# Altium PCB 遥控器PCB.PcbDoc
Units mil, origin at the board's own origin, x right, y up, seen from the top; angles counter-clockwise.
Board outline 3160 x 2570 mil, 2 copper layers (Top Layer, Bottom Layer); 32 components, 30 nets, 128 pads, 17 vias.
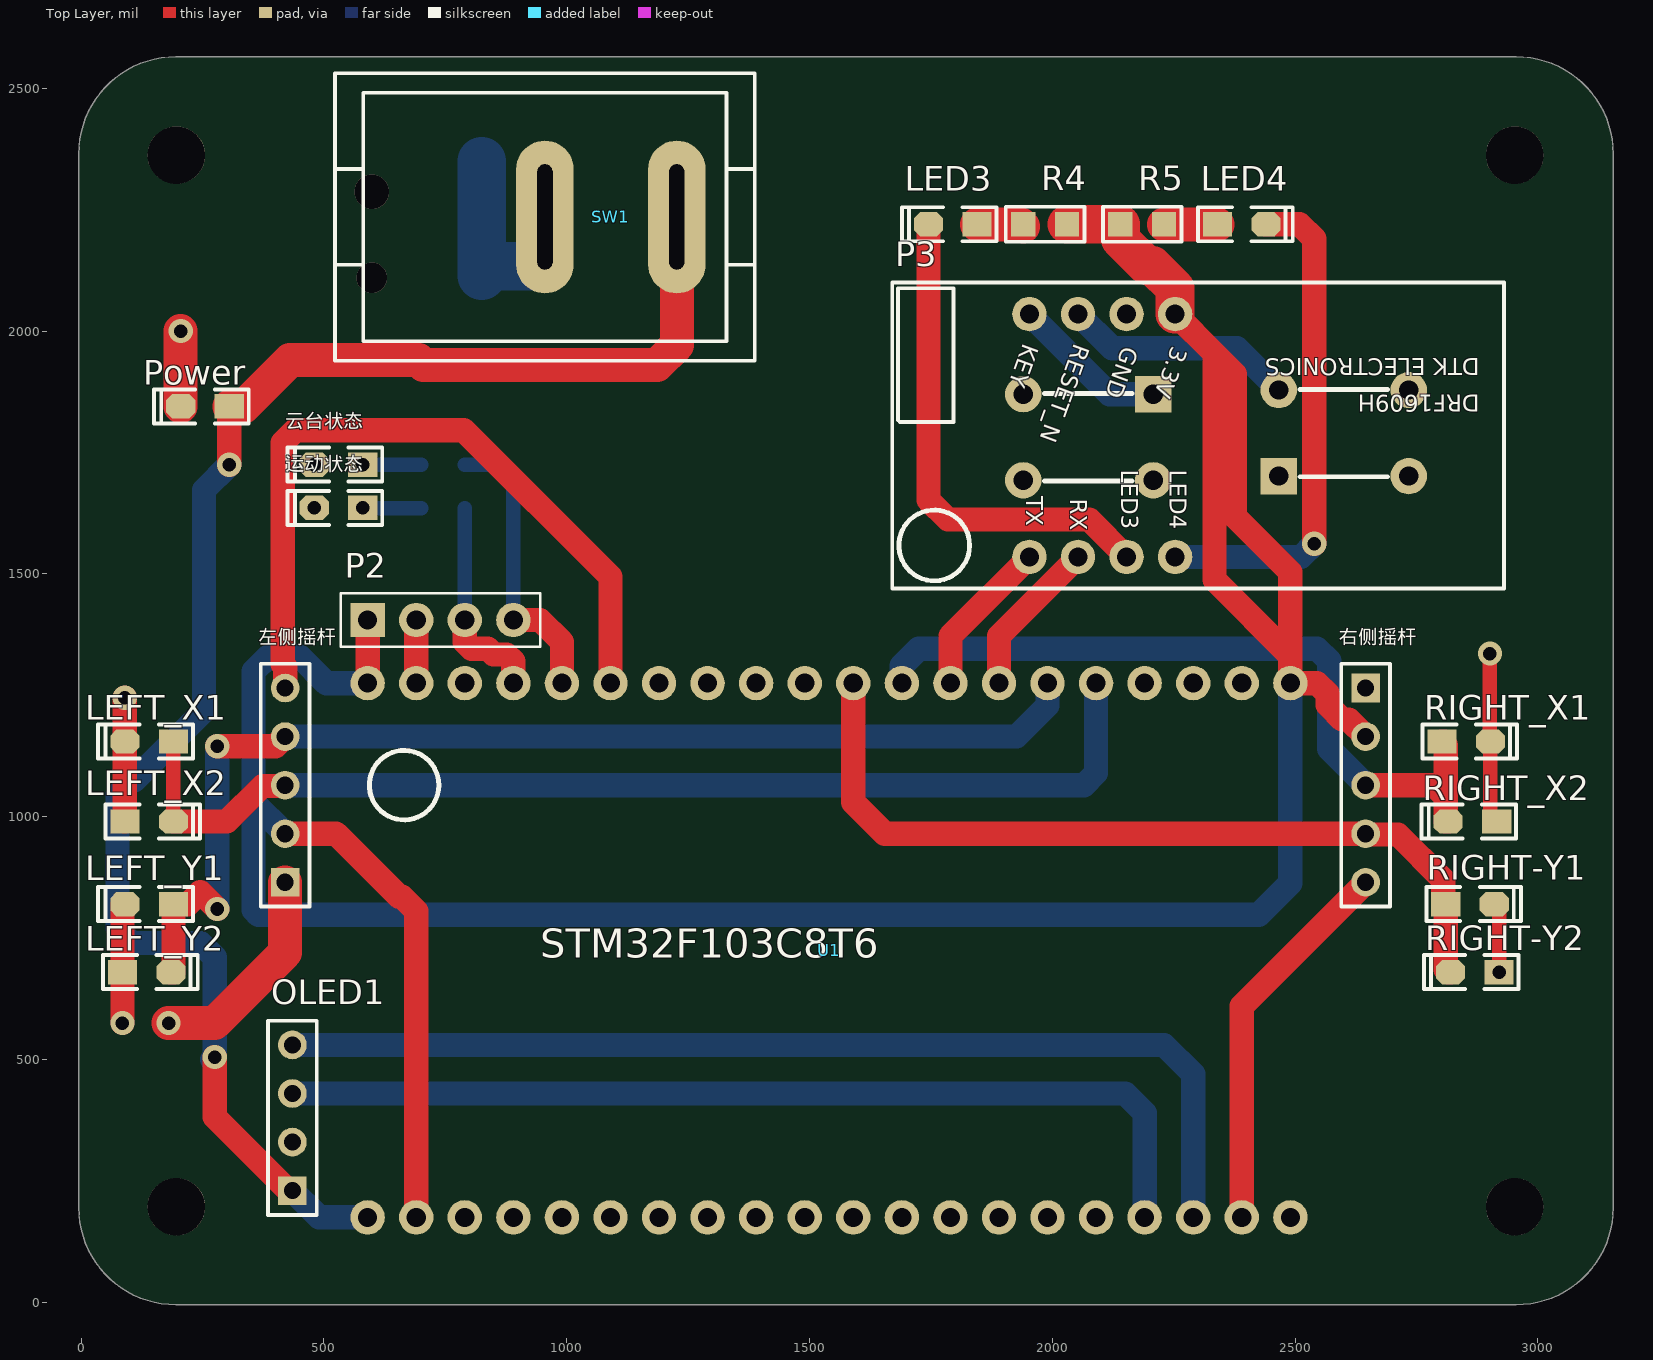
[diagram p0: Top Layer view]
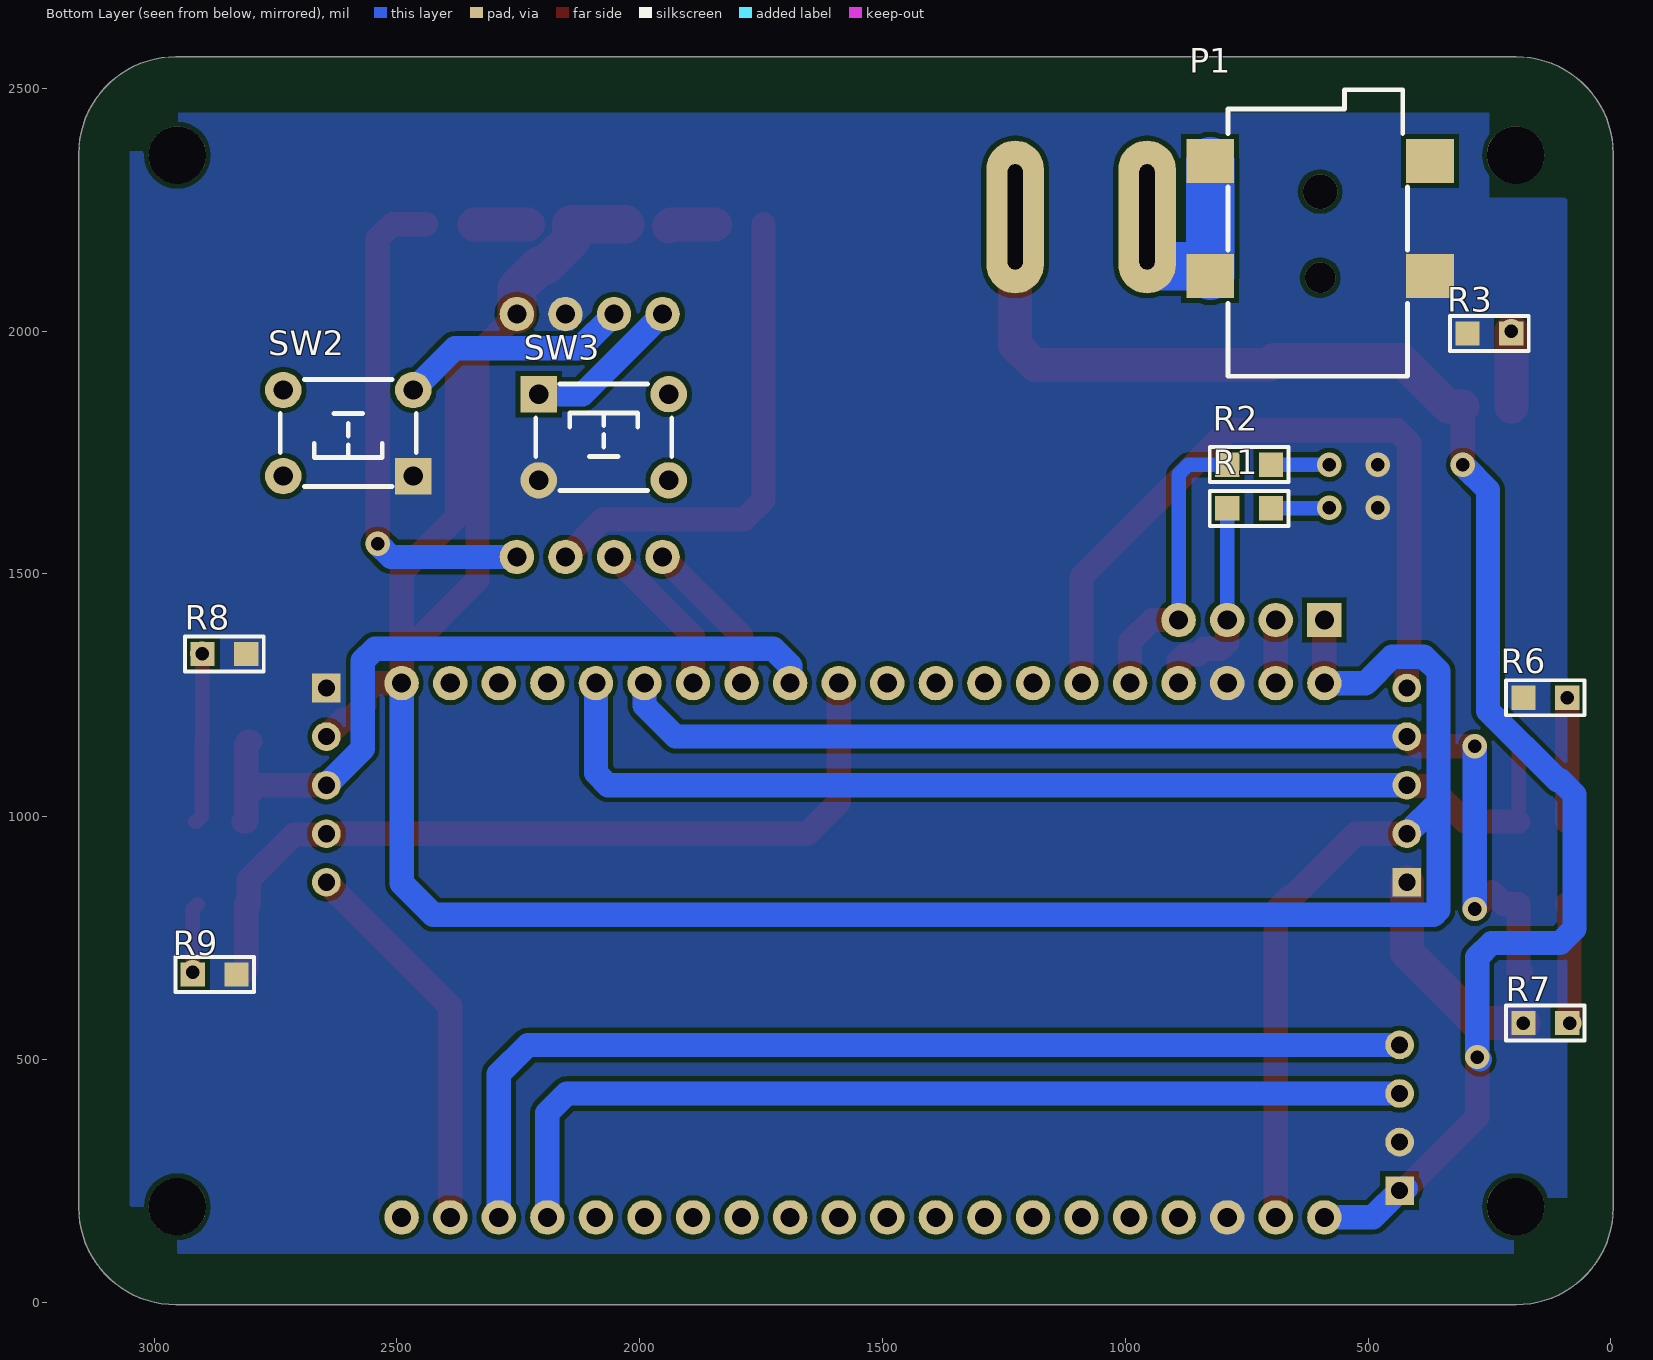
[diagram p1: Bottom Layer view, seen from below]
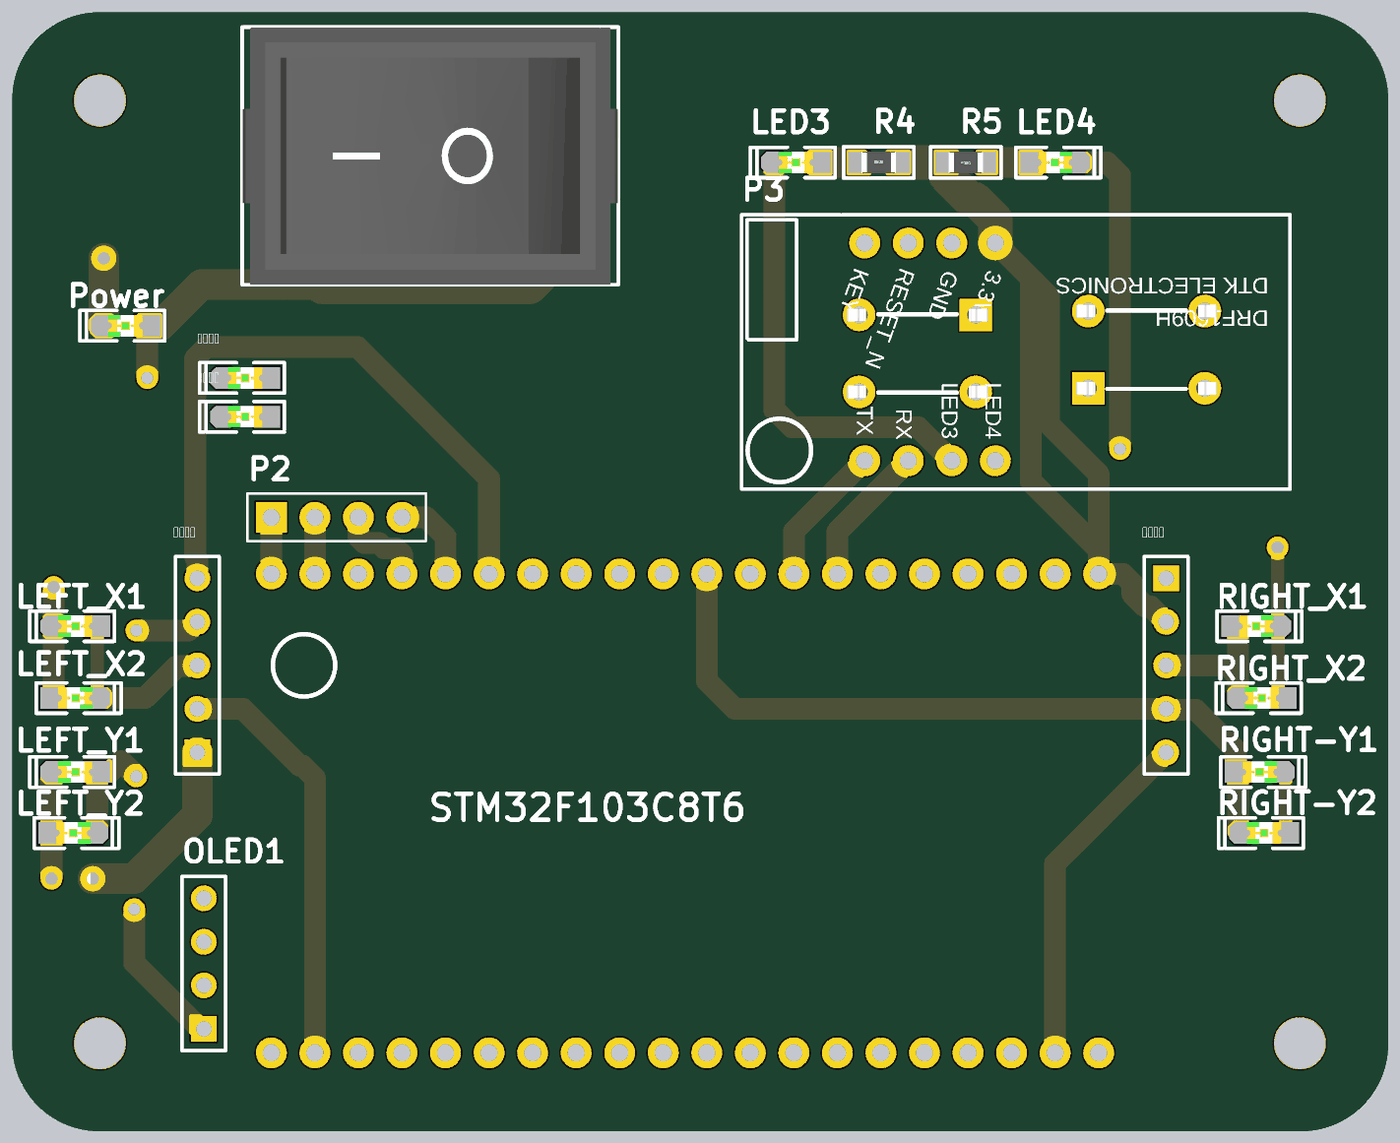
[diagram p2: 3D render of the assembled board from above, using the file's embedded part models]
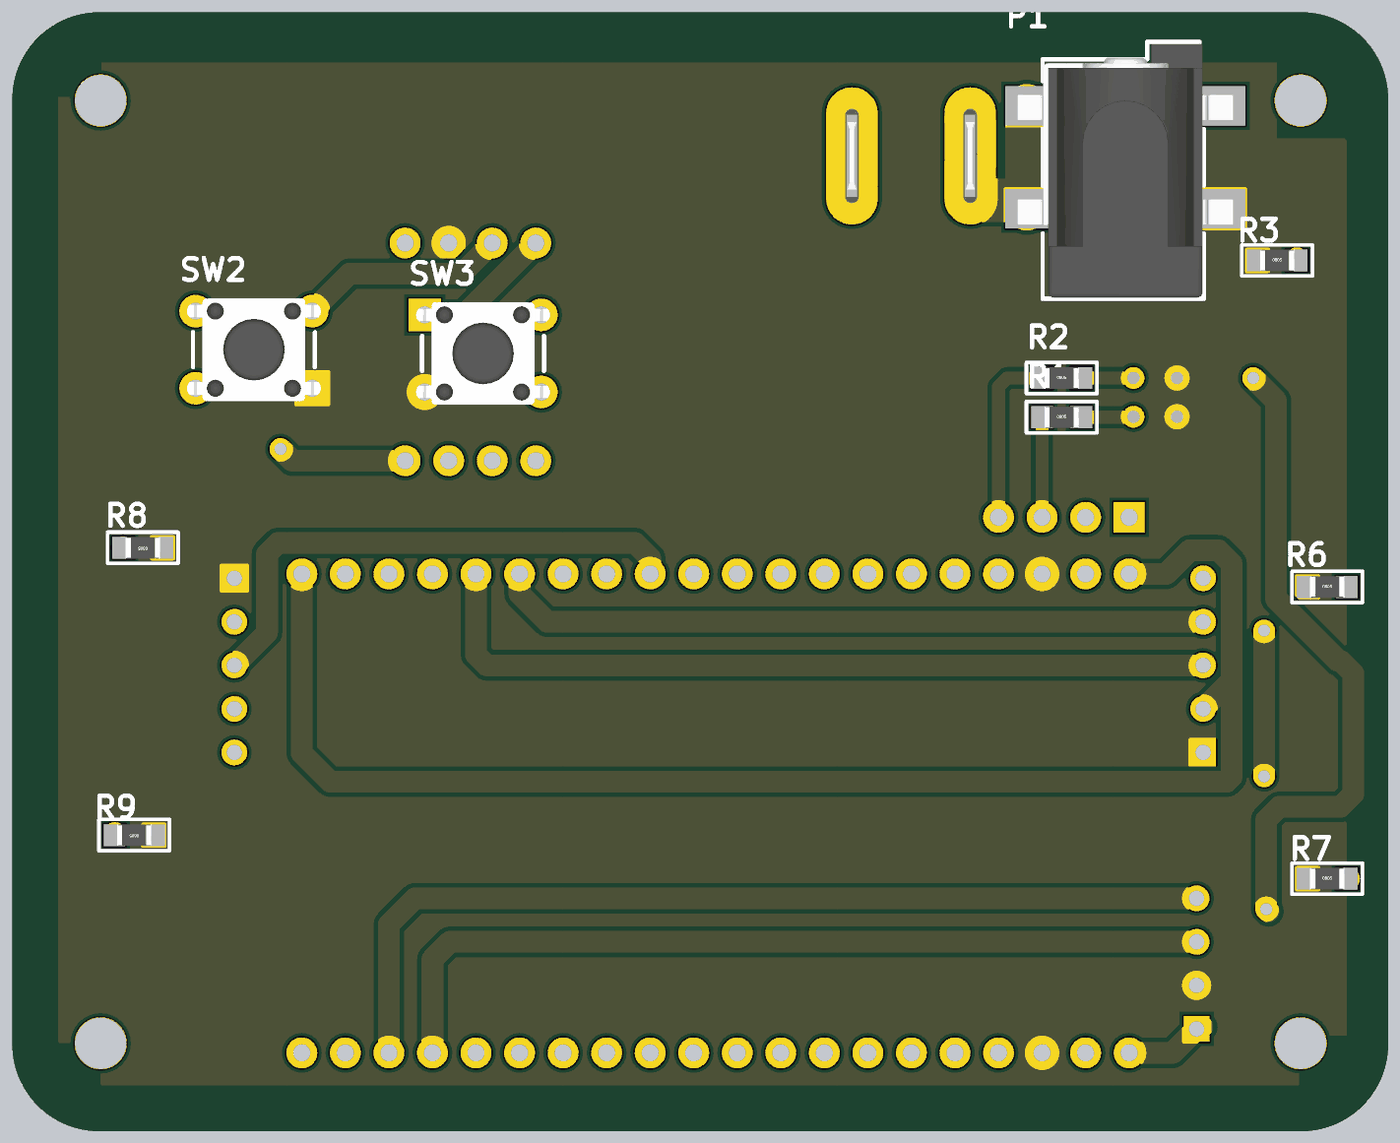
[diagram p3: 3D render of the assembled board from below, using the file's embedded part models]

## Layer stack, top to bottom
Top Solder: solder mask 0.4, Solder Resist, Dk 3.5
Top Layer: signal copper 1.4
Dielectric 1: dielectric 12.6, FR-4, Dk 4.8
Bottom Layer: signal copper 1.4
Bottom Solder: solder mask 0.4, Solder Resist, Dk 3.5

## Board outline
-5,195 ccw(c195,195) 195,-5 2955,-5 ccw(c2955,195) 3155,195 3155,2365 ccw(c2955,2365) 2955,2565 195,2565 ccw(c195,2365) -5,2365

## Design rules (kind name [scope] priority, off if disabled: settings)
Clearance [All] p1: gap=10 ignorepadtopadclearanceinfootprint=FALSE except(0: Arc-Hole Track-Hole SMDPad-Hole THPad-Hole Via-Hole Fill-Hole Poly-Hole Region-Hole Text-Hole)
HoleSize [All] p1: absolutevalues=TRUE maxlimit=1000 minlimit=1 maxpercent=80.000 minpercent=20.000
PolygonConnect [All] p1: connectstyle=Direct reliefconductorwidth=10 reliefentries=4 polygonreliefangle="90 Angle" airgapwidth=10
RoutingVias [All] p1: holewidth=28 width=50 viastyle="Through Hole" minholewidth=28 minwidth=50 maxholewidth=28 maxwidth=50
SilkToSilkClearance [All] p1: silktosilkclearance=0
SilkToSolderMaskClearance [IsPad] p1: minsilkscreentomaskgap=0 clearancetoexposedcopper=TRUE
SolderMaskExpansion [All] p1: expansion=4 istentingtop=FALSE
Width [All] p1: maxlimit=100 minlimit=10 preferedwidth=50 minimp=50.000000 maximp=50.000000 favimp=50.000000
27 further rules are at their usual default settings.

## Components (designator, comment, footprint, x,y, rotation, side; value= is the part's Value field where it differs from the comment)
LED3 "RX_Zig" "LED 0805B" 1795,2220 r180 top
LED4 "TX_Zig" "LED 0805B" 2390,2220 r0 top
LEFT_X1 "TX_Zig" "LED 0805B" 140,1155 r180 top
LEFT_X2 "TX_Zig" "LED 0805B" 140,990 r0 top
LEFT_Y1 "TX_Zig" "LED 0805B" 140,820 r180 top
LEFT_Y2 "TX_Zig" "LED 0805B" 135,680 r0 top
OLED1 "Header 4" HDR1X4 435,230 r90 top
P1 "2pin" DC-050-5.5*2.1_贴片 598.62,2287.01 r90 bottom
P2 "引出MCU排针" 接插件_排母_4*1 590,1405 r0 top
P3 "ZIGBEE" DRF1609H-DIP 2300,1785 r180 top
Power "电源指示" "LED 0805B" 255,1845 r180 top
R1 "1K" "R 0805_M" 745,1635 r180 bottom
R2 "1K" "R 0805_M" 745,1725 r180 bottom
R3 "1k" "R 0805_M" 250,1995 r180 bottom
R4 "510R" "R 0805_M" 1985,2220 r0 top
R5 "510R" "R 0805_M" 2185,2220 r180 top
R6 "1k" "R 0805_M" 135,1245 r180 bottom
R7 "1k" "R 0805_M" 135,575 r180 bottom
R8 "1k" "R 0805_M" 2855,1335 r0 bottom
R9 "1k" "R 0805_M" 2875,675 r0 bottom
RIGHT-Y1 "TX_Zig" "LED 0805B" 2860,820 r0 top
RIGHT-Y2 "TX_Zig" "LED 0805B" 2870,680 r180 top
RIGHT_X1 "TX_Zig" "LED 0805B" 2852,1155 r0 top
RIGHT_X2 "TX_Zig" "LED 0805B" 2865,990 r180 top
SW1 "开关KCD1-101" 开关KCD1-101 955,2235 r0 top
SW2 "ZigReset" "SW DIP-6*6*5" 2600,1790 r0 bottom
SW3 "ZigReset" "SW DIP-6*6*5" 2073.86,1781.42 r180 bottom
U1 "STM32F103C8T6" STM32F103C8T6 1540,725 r0 top
云台状态 "PWU" "LED 0805R" 530,1725 r180 top
右侧摇杆 "Header 5" HDR1X5 2645,1265 r270 top
左侧摇杆 "Header 5" HDR1X5 420,865 r90 top
运动状态 "PWU" "LED 0805R" 530,1636 r180 top

## Footprints (in the part's own frame and the unit in brackets; to place one, negate y for a bottom-side part, rotate by r counter-clockwise, add the part's x,y. Pads: shape width x height; smd on the part's side, far side on the other; paste and mask are expansions set on the pad)
DC-050-5.5*2.1_贴片 [mm] "5.5*2.1"
  rect 2.3x2.5 smd: 1(-4.4,5.75) 1(1.6,5.75) 2(-4.4,-5.75) 3(1.6,-5.75)
  silkscreen extent -9.65,-4.57 5.33,4.83, body extent -9.59,-6.3 5.21,6.3, height 11
DRF1609H-DIP [mm]
  round 1.8 hole 1: 1(1.2,-6.35) 2(3.74,-6.35) 3(6.28,-6.35) 4(8.82,-6.35) 5(8.82,6.35) 6(6.28,6.35) 7(3.74,6.35) 8(1.2,6.35)
  silkscreen extent -16,-8 16,8
HDR1X4 [mm] "Connector; Header; 4 Position"
  rect 1.5x1.5 hole 0.9: 1(0,0)
  round 1.5 hole 0.9: 2(2.54,0) 3(5.08,0) 4(7.62,0)
  silkscreen extent -1.27,-1.27 8.89,1.27
HDR1X5 [mm] "Connector; Header; 5 Position"
  rect 1.5x1.5 hole 0.9: 1(0,0)
  round 1.5 hole 0.9: 2(2.54,0) 3(5.08,0) 4(7.62,0) 5(10.16,0)
  silkscreen extent -1.27,-1.27 11.43,1.27
"LED 0805B" [mil] "蓝色0805LED"
  rect 60x50 smd: 1(-50,0)
  oct 60x50 smd: 2(50,0)
  silkscreen extent -90,-35 105,35, body extent -39,-25 39,25, height 32
"LED 0805R" [mil] "红色0805LED"
  rect 60x50 smd: 1(-50,0)
  oct 60x50 smd: 2(50,0)
  silkscreen extent -90,-35 105,35, body extent -39,-25 39,25, height 32
"R 0805_M" [mil] "1/8W贴片电阻"
  rect 50x50 smd: 1(-45,0) 2(45,0)
  silkscreen extent -81,-36 81,36, body extent -39,-25 39,25, height 20
STM32F103C8T6 [mm] "telesky家的STM32F103C8T6"
  round 1.8 hole 1: 1(-24.13,13.97) 2(-21.59,13.97) 3(-19.05,13.97) 4(-16.51,13.97) 5(-13.97,13.97) 6(-11.43,13.97) 7(-8.89,13.97) 8(-6.35,13.97) 9(-3.81,13.97) 10(-1.27,13.97) 11(1.27,13.97) 12(3.81,13.97) 13(6.35,13.97) 14(8.89,13.97) 15(11.43,13.97) 16(13.97,13.97) 17(16.51,13.97) 18(19.05,13.97) 19(21.59,13.97) 20(24.13,13.97) 21(-24.13,-13.97) 22(-21.59,-13.97) 23(-19.05,-13.97) 24(-16.51,-13.97) 25(-13.97,-13.97) 26(-11.43,-13.97) 27(-8.89,-13.97) 28(-6.35,-13.97) 29(-3.81,-13.97) 30(-1.27,-13.97) 31(1.27,-13.97) 32(3.81,-13.97) 33(6.35,-13.97) 34(8.89,-13.97) 35(11.43,-13.97) 36(13.97,-13.97) 37(16.51,-13.97) 38(19.05,-13.97) 39(21.59,-13.97) 40(24.13,-13.97)
  silkscreen extent -24.04,6.82 -20.41,10.45
"SW DIP-6*6*5" [mm] "6*6*5mm"
  rect 1.9x1.9 hole 1: 1(-3.4,2.25)
  round 1.9 hole 1: 2(-3.4,-2.25) 3(3.4,-2.25) 4(3.4,2.25)
  silkscreen extent -3.56,-2.79 3.56,2.79, body extent -4.11,-3 4.11,3, height 4.95
开关KCD1-101 [mm] "船型开关立式"
  oval 3x8 hole 0.8 slot 5.5 at 90 deg: 1(0,0) 2(6.9,0)
  silkscreen extent -10.97,-7.52 10.97,7.52, body extent -10.95,-7.5 10.95,7.5, height 20.3
接插件_排母_4*1 [mm]
  rect 1.8x1.8 hole 1 paste+0: 1(0,0)
  round 1.8 hole 1 paste+0: 2(2.54,0) 3(5.08,0) 4(7.62,0)
  silkscreen extent -1.4,-1.4 9.02,1.4

## Part data
LED3 LED4 LEFT_X1 LEFT_X2 LEFT_Y1 LEFT_Y2 RIGHT-Y1 RIGHT-Y2 RIGHT_X1 RIGHT_X2 云台状态 运动状态: library part LED-SMD, "贴片LED", BOM名称=贴片LED, 学习资源=https://lmdzstyle.taobao.com/, 版权归属=黎明电子style
OLED1: "Header, 4-Pin", LatestRevisionDate=17-Jul-2002, LatestRevisionNote="Re-released for DXP Platform.", Publisher="Altium Limited"
P3: library part "Header 4X2", "Zigbee复用", LatestRevisionDate=17-Jul-2002, LatestRevisionNote="Re-released for DXP Platform.", Publisher="Altium Limited"
Power: library part LED0, "Typical INFRARED GaAs LED", LatestRevisionDate=08-Jul-2005, LatestRevisionNote="Mech Layer 1 removed.", PackageDescription="LED; 2 Leads", PackageReference=LED-0, Published=8-Jun-2000, Publisher="Altium Limited"
R1 R2 R3 R4 R5 R6 R7 R8 R9: library part R, "贴片电阻", BOM名称=贴片电阻, 学习资源=https://lmdzstyle.taobao.com/, 版权归属=黎明电子style
SW2 SW3: library part "TSW 3x6", "3x6轻触开关", BOM名称=3x6轻触开关, 学习资源=https://lmdzstyle.taobao.com/, 版权归属=黎明电子style
U1: "telesky家的STM32F103C8T6"
右侧摇杆 左侧摇杆: "Header, 5-Pin", LatestRevisionDate=17-Jul-2002, LatestRevisionNote="Re-released for DXP Platform.", Publisher="Altium Limited"

## Free pads (board coordinates)
  round 118.11 hole 118.11 paste+0: 6(196.17,2362.28) 6(196.18,196.93) 6(2952.08,196.93) 6(2952.08,2362.28)

## Via types
v1: diameter 50, hole 27.99, Top Layer to Bottom Layer, 10 vias
v2: diameter 50, hole 28, Top Layer to Bottom Layer, 5 vias
v3: diameter 62.99, hole 62.99, Top Layer to Bottom Layer, 1 vias
v4: diameter 70.87, hole 70.87, Top Layer to Bottom Layer, 1 vias

## Nets (pads, with @x,y where several pads share a name; then routed paths per layer and width w, separated by ;. In a path a pad name is that pad's centre, name@x,y a point inside that pad or via, vN(x,y) a via of type N, cw(c..) or ccw(c..) an arc to the next point about the centre after c; other vN are vias at no path point)
ADC_LEFT_X: LEFT_X1.1 LEFT_X2.2 U1.16 左侧摇杆.3 | length 2291.4
  Top Layer w30: LEFT_X2.2 LEFT_X1.1
  Top Layer w50: LEFT_X2.2 300,990 373.27,1063.27 418.27,1063.27 左侧摇杆.3
  Bottom Layer w50: 左侧摇杆.3 2065,1065 2090,1090 U1.16
ADC_LEFT_Y: LEFT_Y1.1 LEFT_Y2.2 U1.15 左侧摇杆.4 | length 2385.6
  Top Layer w50: LEFT_Y2.2 190,680 LEFT_Y1.1 220,820 245,845 v1(280,810) ; v1(280,1145) 400,1145 左侧摇杆.4
  Bottom Layer w50: v1(280,810) v1(280,1145) ; 左侧摇杆.4 1926,1165 1990,1229 U1.15
ADC_RIGHT_X: RIGHT_X1.1 RIGHT_X2.2 U1.12 右侧摇杆.3 | length 1581.7
  Top Layer w50: 右侧摇杆.3@2646.73,1066.73 右侧摇杆.3 2785.71,1065 2810,1040.71 ; RIGHT_X1.1 2807,1155 2807,1150 2810,1147 2810,1040.71 ; RIGHT_X2.2 2810,990 2810,1040.71
  Bottom Layer w50: U1.12 1690,1311 1725,1346 2545,1346 2570,1321 2570,1140 右侧摇杆.3
ADC_RIGHT_Y: RIGHT-Y1.1 RIGHT-Y2.2 U1.11 右侧摇杆.4 | length 1728.3
  Top Layer w50: U1.11 1590,1030 1655,965 右侧摇杆.4 2646.73,963.27 2711.73,963.27 2805,870 2805,820 RIGHT-Y1.1 2810,685 2815,680 RIGHT-Y2.2
GND: OLED1.2 P1.2 P3.2 R3.1 R6.1 R7.1 R8.1 R9.1 SW2.1 SW3.2 U1.3 U1.23 云台状态.2 右侧摇杆.1 左侧摇杆.1 运动状态.2 | length 445.1
  Top Layer w70: v1(180,575) 275,575 420,720 左侧摇杆.1
  other v1: 480,1636 480,1725
LED1_Zig: LED3.2 P3.7 | length 1024.2
  Top Layer w50: LED3.2 1745,1652 1785,1612 2075.76,1612 P3.7
LED2_Zig: LED4.2 P3.8 | length 1036.9
  Top Layer w50: LED4.2 2509,2220 2539,2190 v2(2539,1562)
  Bottom Layer w50: P3.8 2512,1535 v2(2539,1562)
NetLED3_1: LED3.1 R4.1 | length 97.1
  Top Layer w70: LED3.1 1935,2220 R4.1@1940,2215
NetLED4_1: LED4.1 R5.1 | length 110
  Top Layer w70: R5.1 LED4.1
NetLEFT_X1_2: LEFT_X1.2 LEFT_X2.1 R6.2 | length 255
  Top Layer w50: LEFT_X2.1 LEFT_X1.2 v2(90,1245)
NetLEFT_Y1_2: LEFT_Y1.2 LEFT_Y2.1 R7.2 | length 250
  Top Layer w50: v2(85,575) LEFT_Y2.1 85,820 LEFT_Y1.2
NetP3_4: P3.4 SW3.1 | length 323.3
  Bottom Layer w50: P3.4 2117.76,1870 SW3.1
NetPower_2: Power.2 R3.2 | length 155
  Top Layer w70: Power.2 v1(205,2000)
NetR1_2: R1.2 运动状态.1 | length 121
  Bottom Layer w30: v1(580,1636) 580,1635 R1.2
NetR2_2: R2.2 云台状态.1 | length 120
  Bottom Layer w30: v1(580,1725) R2.2
NetR8_2: R8.2 RIGHT_X1.2 RIGHT_X2.1 | length 353.6
  Top Layer w30: v2(2901,1336) 2901,1156 RIGHT_X1.2 2902,1000 2912,990 RIGHT_X2.1
NetR9_2: R9.2 RIGHT-Y1.2 RIGHT-Y2.1 | length 144.1
  Top Layer w30: RIGHT-Y1.2 2920,810 v2(2920,680)
OLED_SCL: OLED1.3 U1.37 | length 1986.6
  Bottom Layer w50: OLED1.3 2150,430 2190,390 U1.37
OLED_SDA: OLED1.4 U1.38 | length 2174.9
  Bottom Layer w50: OLED1.4 2230,530 2290,470 U1.38
RESET: P3.3 SW2.2 | length 478.2
  Bottom Layer w50: P3.3 2123.19,1964.57 2380.16,1964.57 SW2.2
RX_Zigbee: P3.6 U1.14 | length 327.4
  Top Layer w50: U1.14 1890,1372.24 P3.6
SW1: U1.6 左侧摇杆.5 | length 1536.9
  Top Layer w50: 左侧摇杆.5 420,1309 415,1314 415,1770 441,1796 788,1796 1090,1494 U1.6
SW2: U1.39 右侧摇杆.5 | length 795.6
  Top Layer w50: U1.39 2390,610 右侧摇杆.5
TX_Zigbee: P3.5 U1.13 | length 327.4
  Top Layer w50: U1.13 1790,1372.24 P3.5
VBAT: P1.1 SW1.1 | length 471.2
  Bottom Layer w100: P1.1@825,2350 825,2113.78 844.33,2133.11 946.63,2133.11 955,2141.48 SW1.1
VCC3.3: P2.1 P3.1 R4.2 R5.2 U1.1 U1.20 U1.22 右侧摇杆.2 左侧摇杆.2 | length 6636
  Top Layer w50: 左侧摇杆.2 525,965 655,835 660.71,835 690,805.71 U1.22 ; U1.1 P2.1 ; P3.1 2333.74,1954.02 ; 右侧摇杆.2 2610,1200 2597,1200 2567,1230 2567,1253 2545,1275 U1.20 2490,1331.74 ; 2333.74,1954.02 2376,1911.76 2376,1618 2490,1504 2490,1331.74 ; 2333.74,1954.02 2333.74,1488 2490,1331.74
  Top Layer w80: R4.2 R5.2 2140,2189.29 2194.29,2135 2205.89,2135 2252.76,2088.14 P3.1
  Bottom Layer w50: 左侧摇杆.2 355,1030 ; U1.1 505,1275 450.47,1329.53 385,1329.53 355,1299.53 355,1030 ; U1.20 2490,863 2425,798 365,798 355,808 355,1030
VCC5: OLED1.1 Power.1 SW1.2 U1.21 | length 3381.2
  Top Layer w50: v1(275,505) 275,381.57 OLED1.1@422.04,234.53 ; v1(305,1725) Power.1
  Top Layer w70: Power.1 335,1845 430,1940 695,1940 705,1930 1185.65,1930 1226.65,1971.01 SW1.2
  Bottom Layer w50: v1@270,500 v1(275,505) 275,710.71 245.71,740 104.29,740 75,769.29 75,1045.71 104.29,1075 109.5,1075 252.86,1218.36 252.86,1672.86 v1(305,1725) ; OLED1.1@422.04,234.53 430.47,234.53 490,175 U1.21
VDDA: P2.2 U1.2 | length 130
  Top Layer w50: U1.2 P2.2
摄像头视角转换状态: P2.4 R2.1 U1.5 | length 611.9
  Top Layer w50: P2.4 945,1405 990,1360 U1.5
  Bottom Layer w30: R2.1 870,1725 890,1705 P2.4
运动状态: P2.3 R1.1 U1.4 | length 436.6
  Top Layer w50: P2.3 790,1360 804,1346 837,1346 849,1334 876,1334 890,1320 U1.4
  Bottom Layer w30: P2.3 R1.1
pads on no net: P1.3 SW2.3 SW2.4 SW3.3 SW3.4 U1.7 U1.8 U1.9 U1.10 U1.17 U1.18 U1.19 U1.24 U1.25 U1.26 U1.27 U1.28 U1.29 U1.30 U1.31 U1.32 U1.33 U1.34 U1.35 U1.36 U1.40
copper on no net:
  other v3: 598.62,2109.84
  other v4: 598.62,2287.01

## Polygon pours and split planes (outlines as drawn)
GND on Bottom Layer "GND_L02_P000" (solid, pour order 0): 250,2450 250,2275 95,2275 90,2270 90,215 195,215 200,210 200,100 2950,100 2952.08,102.08 2952.08,196.93 3046.93,196.93 3050,200 3050,2370 2950,2370 2950,2450

## Silkscreen, mask and mechanical layers (free items; w line width, h text height)
Mechanical 1:
  lines w10: 80,-20 2840,-20 ; 195,-5 cw(c195,195) -5,195 -5,2365 cw(c195,2365) 195,2565 2955,2565 cw(c2955,2365) 3155,2365 3155,195 cw(c2955,195) 2955,-5

## Text inside footprints (layer, text, board x,y; h text height)
P3: Top Overlay "DTK ELECTRONICS" at 2880,1955 h59.06 r180; Top Overlay "DRF1609H" at 2880,1880 h59.06 r180; Top Overlay "3.3V" at 2235,1975 h59.06 r250; Top Overlay "GND" at 2135,1975 h59.06 r250; Top Overlay "RESET_N" at 2035,1980 h59.06 r250; Top Overlay "KEY" at 1930,1980 h59.06 r250; Top Overlay "TX" at 1935,1660 h59.06 r270; Top Overlay "RX" at 2025,1655 h59.06 r270; Top Overlay "LED3" at 2130,1715 h59.06 r270; Top Overlay "LED4" at 2230,1715 h59.06 r270